# KiCad board DevTermCaseTemp.kicad_pcb (continued)
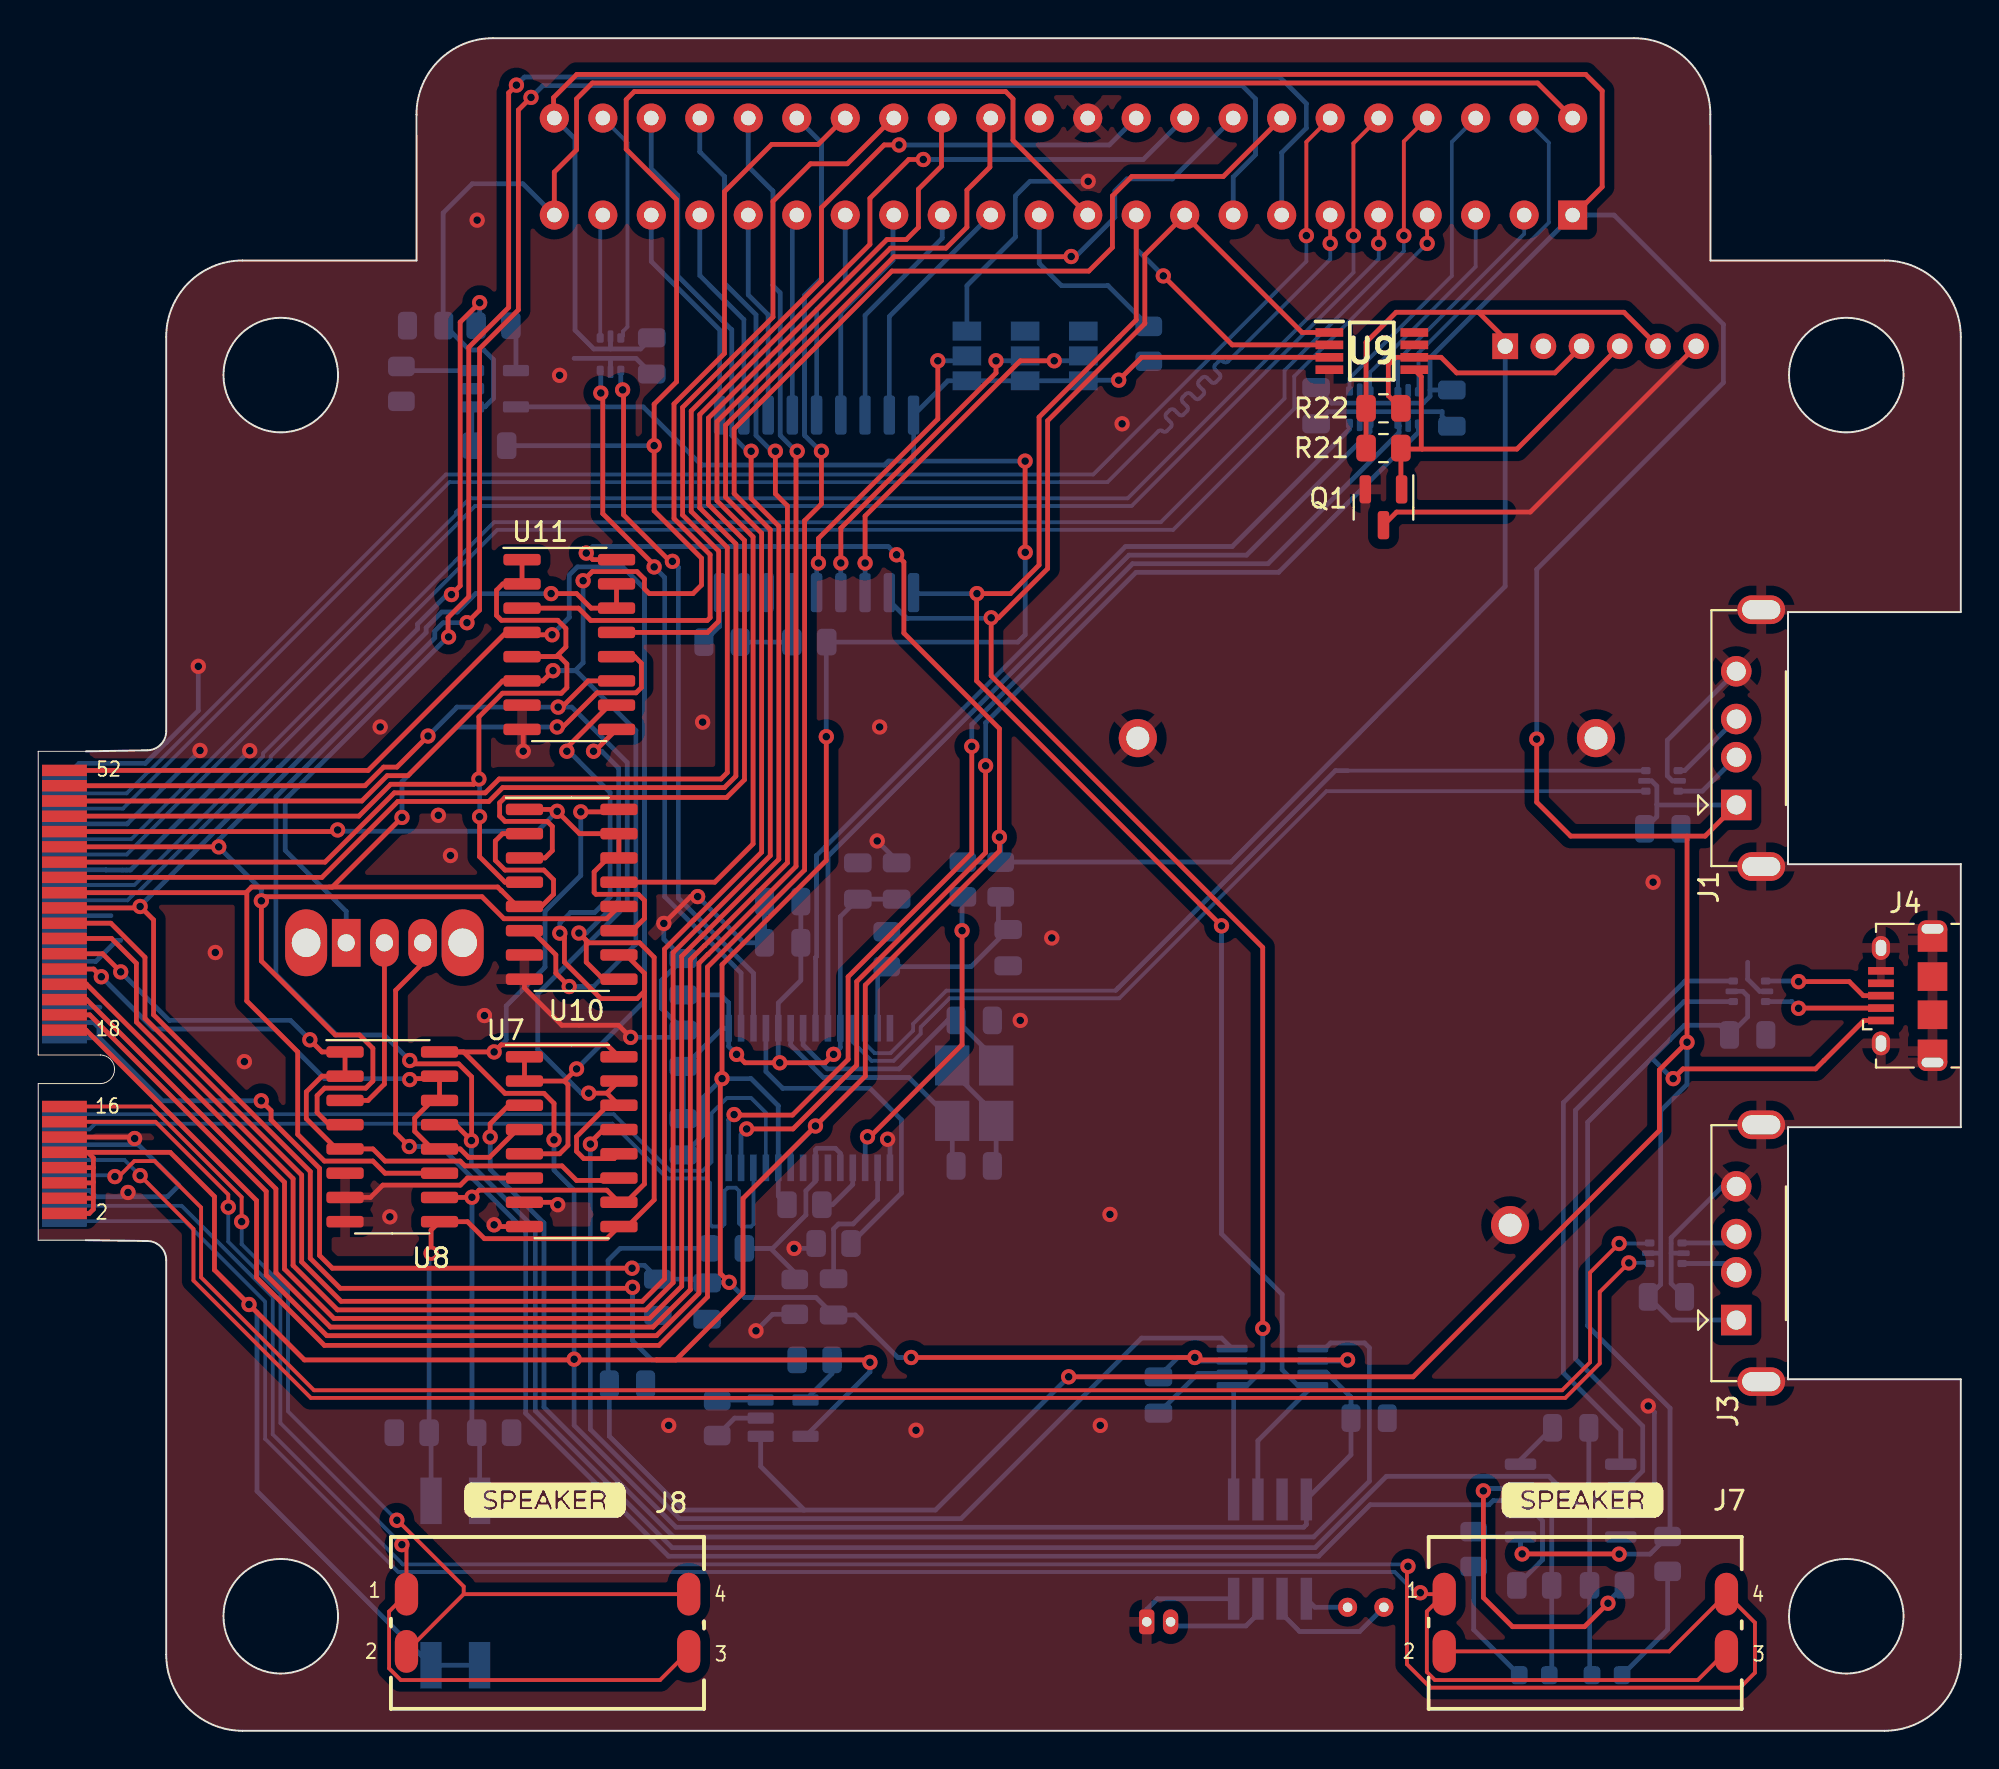
[diagram p0: board, top side]
## Nets (continued)
Net-(J11-Pin_3): J11.3 R22.1 U9.6
Net-(J11-Pin_4): J11.4 Q1.1 R21.1 U9.5
Net-(J11-Pin_6): J11.6 Q1.3
Net-(JP1-C): JP1.2 U5.5
Net-(JP2-C): JP2.2 U5.4
Net-(JP3-C): JP3.2 U5.3
Net-(R1-Pad2): R1.2 R9.1 U1.19 U1.21
Net-(R2-Pad2): R2.2 U1.4
Net-(R3-Pad1): R3.1 U1.17
Net-(R6-Pad1): R6.1 U1.18
Net-(SW2-B): SW2.2 U8.3
Net-(U2-EN): R5.2 U2.4
Net-(U2-ISET): R7.1 U2.3
Net-(U3-EN): R10.2 U3.4
Net-(U3-ISET): R11.1 U3.3
Net-(U4-X1): U4.1 Y2.1
Net-(U4-X2): U4.2 Y2.2
Net-(U5-~{RESET}): C15.2 R13.2 U5.6
Net-(U6-RXD): R18.1 U6.7
Net-(U6-TXD): R17.1 U6.6
Net-(U6-UD+): U6.1 U13.6
Net-(U6-UD-): U6.2 U13.4
Net-(U6-V3): C14.1 U6.8
Net-(U12-A1): U7.3 U12.5
Net-(U12-A2): U7.13 U12.4

Pads without a net: J9 24; U1 14 20 22; U4 7; U5 7 8; U6 4; U9 7 8

## Via types
v1: diameter 0.8, hole 0.4, Top to Bottom, 155 vias

## Routing (per net, layer and track width the routed paths; a pad name or vN(x,y) marks a point on that pad's centre or on a via; arc(x,y) is an arc through that point)
+3.3V: length 208.3
  Top w0.25: U9.3 57.8,71.93 v1(56.6,70.73) ; v1(45.73,19.55) v1(60.58,19.55) 60.71,19.42 v1(68.59,19.42) ; v1(31.11,24.23) 15.41,24.23 14.74,24.89 14.74,29.45 12.2,31.99 12.2,32.48 v1(11.68,32.99) ; v1(51.69,66.49) 51.69,61.72 v1(51.7,61.71) ; v1(41.28,52.06) 41.28,45.58 35.82,40.12 v1(35.82,34.16) 35.73,34.06 35.73,23.95 v1(36.19,23.49)
  Bottom w0.25: J2.19 2.91,37.09 3.18,36.82 3.18,36.31 ; 3.18,36.31 3.16,36.29 J2.17 ; 3.18,36.31 6.5,32.99 v1(11.68,32.99) ; FB2.1 34.84,31.21 34.84,33.17 v1(35.82,34.16) 37.34,34.16 38.77,32.73 U1.24 38.77,28.01 R6.2 ; 25.02,69.33 31.69,69.33 34.74,66.29 44.33,66.29 44.54,66.49 45.9,66.49 ; U12.3 60.77,19.37 v1(60.58,19.55) 59.7,19.55 C16.1 ; 48.39,70.7 JP2.3 JP3.3 54.77,70.73 v1(56.6,70.73) ; U12.6 68.53,19.37 v1(68.59,19.42) ; JP1.3 47.65,70.7 45.85,68.9 45.85,66.54 45.9,66.49 ; 35.47,23.49 v1(36.19,23.49) 36.99,22.69 40.74,22.69 FB1.2 42.8,21.78 45.03,19.55 v1(45.73,19.55) ; 45.9,66.49 v1(51.69,66.49) ; 32.46,23.68 31.76,24.38 31.26,24.38 v1(31.11,24.23) ; C5.1 34.84,23.65 ; v1(41.28,52.06) 41.28,56.99 ; v1(51.7,61.71) 51.7,57.41 51.31,57.02 R13.1
+3.3VP: length 81.7
  Top w0.25: J9.43 27.03,81.63 28.2,82.8 28.2,85.46 29.03,86.29 78.54,86.29 J9.2
  Bottom w0.25: 22.72,66.79 22.72,69.29 ; 22.67,69.33 23.41,69.33 23.85,69.78 23.85,71.81 23.34,72.32 22.58,72.32 21.31,73.59 ; 21.24,73.94 21.21,73.96 21.21,79.49 22.74,81.02 25.39,81.02 J9.43
+5V: length 337.9
  Top w0.25: 2.89,27.97 2.81,27.89 J2.4 ; 2.89,27.97 2.89,28.73 ; 2.89,27.97 2.89,27.31 2.67,27.09 J2.2 ; 32.39,19.42 33.41,19.42 36.92,22.93 36.92,27.88 v1(40.71,31.67) 43.32,34.28 43.32,39.05 50.35,46.08 v1(50.35,46.8) 50.35,52.48 45.34,57.49 45.34,61.21 v1(44.96,61.59) ; 32.39,19.42 28.11,19.42 v1(28.07,19.46) 28.04,19.42 13.94,19.42 v1(11.04,22.33) 9.23,24.14 9.23,27.98 6.92,30.29 J2.10 2.6,30.29 2.89,30 2.89,29.49 ; 32.39,19.42 43.44,19.42 v1(43.57,19.3) ; 2.89,28.73 2.89,29.49 ; 2.89,28.73 2.85,28.69 J2.6 ; 2.89,29.49 J2.8 ; 75.44,74.29 76.84,72.89 J11.1 ; 75.44,74.29 71.13,74.29 69.55,72.71 R22.2 R21.2 ; 75.44,74.29 83.06,74.29 J11.5 ; v1(28.42,48.13) 30.29,48.13 ; U7.16 29.8,35.92 24.25,35.92 v1(23.88,35.55) U8.16 22.28,35.55 24.45,33.38 26.49,33.38 27.02,32.86 v1(27.02,30.95) ; v1(28.71,61.68) 29.05,61.33 U11.16
  Bottom w0.25: J11.1 76.84,59.94 75.44,58.54 62.47,45.5 R4.1 ; v1(23.88,35.55) 24.52,36.19 24.52,37.97 26.55,40 26.55,42.92 28.42,44.79 v1(28.42,48.13) ; R4.1 R3.2 ; R4.1 50.42,46.74 v1(50.35,46.8) ; v1(44.96,61.59) 44.53,62.02 29.05,62.02 v1(28.71,61.68) ; U12.7 67.52,18.72 68.76,17.48 C17.1 68.76,14.45 U4.8 66.43,10.8 66.28,10.66 33.41,10.66 28.07,16 v1(28.07,19.46) 28.07,28.31 27.02,29.37 v1(27.02,30.95) ; v1(40.71,31.67) 40.71,31.65 39.42,30.36 39.42,29.48 ; U2.5 43.57,18.8 v1(43.57,19.3) ; SW1.1 SW1.2 11.46,12.55 11.46,21.91 v1(11.04,22.33)
+5VP: length 282.4
  Top w0.25: 26.99,84.35 26.99,85.53 28.21,86.74 81.06,86.74 81.92,85.88 81.92,80.86 80.33,79.27 ; 80.37,79.12 J9.1 ; v1(53.98,18.54) 72.02,18.54 84.92,31.44 84.92,34.61 v1(86.37,36.06) 86.37,46.86 ; 86.37,46.86 87.31,46.86 J1.1 ; 86.37,46.86 80.27,46.86 78.49,48.63 v1(78.49,51.94)
  Bottom w0.25: 72.9,70.22 72.91,70.22 C20.1 ; 72.9,70.22 72.9,69.89 72.55,69.53 71.51,69.53 ; 72.9,70.22 72.9,71.91 J9.1 ; U18.5 69.22,69.53 ; 69.22,69.53 67.75,69.53 C21.1 ; 69.22,69.53 71.51,69.53 ; J3.1 85.55,21.51 C18.1 84.98,23.38 84.98,25 84.97,25.01 ; 71.51,69.53 71.76,69.53 U16.5 ; 29.98,72.37 31.55,72.37 C22.1 ; 29.98,72.37 U17.5 ; 29.98,72.37 29.1,72.37 28.12,73.35 28.12,83.37 J9.44 ; U14.5 84.51,49.75 84.78,49.48 84.78,48.51 ; 84.97,25.01 84.98,25.03 84.98,32.47 86.37,33.85 v1(86.37,36.06) ; 84.97,25.01 U15.5 ; C19.1 84.78,47.87 84.78,48.51 ; J1.1 84.8,48.49 84.78,48.51 ; U2.1 37.84,13.84 40.13,11.56 33.78,11.56 29.92,15.43 C1.1 ; R1.1 30.49,25.27 29.85,24.63 29.85,18.22 ; v1(78.49,51.94) 78.49,60.83 88.27,70.6 88.27,73.65 82.54,79.38 J9.1 ; v1(53.98,18.54) 47,11.56 40.06,11.56 ; 80.12,79.38 J9.1
/AVDD: length 36.4
  Top w0.25: v1(41.66,35.43) 41.22,34.98 v1(38.84,34.98) 37.02,34.98 v1(36.58,35.43)
  Bottom w0.25: 39.94,43.43 39.94,39.3 38.77,38.12 U1.5 38.77,35.06 v1(38.84,34.98) ; U1.1 35.85,36.8 33.79,34.73 FB2.2 ; U1.1 36.17,38.13 35.75,38.54 C7.1 ; U1.1 36.17,35.84 v1(36.58,35.43) ; C10.1 C11.1 42.02,42.64 U1.10 42.02,35.78 v1(41.66,35.43)
GND: length 181.5
  Top w0.25: U10.8 25.47,38.91 27.43,36.95 30.4,36.95 v1(31.03,36.31) ; U7.6 22.48,28.95 22.11,28.58 18.05,28.58 17.4,27.93 16.07,27.93 ; v1(23.88,26.5) 23.97,26.41 U7.8 ; v1(32.77,42.28) 34.18,43.69 v1(34.54,43.69) ; v1(25.41,51.3) 25.41,52.38 ; v1(27.22,27.55) 27.09,27.68 U7.7 ; J2.12 4.98,31.09 v1(5.05,31.02)
  Bottom w0.25: 28.07,71.87 29.98,71.87 ; 29.98,71.87 U17.2 ; 29.98,71.87 31.31,71.87 C22.2 ; v1(44.49,30.98) 44.62,30.86 U1.15 ; v1(11.08,51.33) 4.83,45.08 3.56,45.08 3.55,45.09 J2.39 ; C21.2 67.57,69.08 69.22,69.08 ; 4.61,27.97 3.02,27.97 2.7,28.29 J2.5 ; 4.61,27.97 6.77,27.97 7.37,28.57 5.25,30.69 J2.11 ; 4.61,27.97 4.7,28.06 v1(4.7,28.19) ; JP1.1 48.65,75.68 51.19,78.22 51.19,80.38 51.95,81.15 v1(55,81.15) ; R7.2 36.48,16.38 U2.2 ; v1(43.95,46.6) 44.96,45.59 ; v1(37.6,20.95) 38.46,21.81 R9.2 ; J2.27 3.01,40.29 4.11,41.39 4.32,41.39 ; 35.69,59.6 35.69,57.84 C15.1 ; 85.53,25.01 85.53,25.82 88.23,28.51 J3.4 ; 85.53,25.01 U15.2 ; 85.53,25.01 85.53,23.43 C18.2 ; C9.2 C8.2 36.96,41.27 v1(34.54,43.69) ; U16.2 71.76,69.08 ; 71.76,69.08 69.22,69.08 ; 71.76,69.08 73.54,69.08 73.54,68.83 C20.2 ; v1(8.39,55.75) 8.39,53.43 6.72,51.76 6.71,51.76 5.62,50.67 2.15,50.67 J2.51 ; v1(39.6,25.26) 40.49,25.26 ; 69.22,69.08 U18.2 ; 47.88,34.54 50.18,32.24 ; J2.45 4.66,47.49 8.48,51.31 v1(8.48,51.34) ; J5.1 58.06,6.36 58.62,6.92 U4.4 ; 83.12,11.42 83.6,11.42 84.66,12.48 84.66,16.69 v1(84.33,17.01) ; v1(31.03,36.31) 33.41,36.31 C6.2 32.64,37.84 32.64,39.3 C7.2 32.77,41.46 v1(32.77,42.28) ; C16.2 60.76,18.72 U12.2 ; J2.21 3.24,37.89 ; 89.54,40.25 89.54,39.36 90.17,38.73 U13.2 ; U14.2 85.6,49.75 85.33,50.01 85.33,51.87 J1.4 ; 3.81,42.69 J2.33 ; 82.67,11.42 82.17,11.42 81.22,12.38 C14.2 ; Y1.4 50.18,29.78
  vias: v1(9.28,40.76) v1(10.8,35.04) v1(17.91,52.57) v1(18.42,26.92) v1(20.96,47.94) v1(21.6,45.84) v1(22.99,79.11) v1(23.37,37.46) v1(27.31,70.99) v1(33.03,15.99) v1(34.8,52.82) v1(44.07,52.57) v1(45.98,15.74) v1(51.44,37.2) v1(53.09,41.52) v1(55.63,15.99) v1(56.14,27.04) v1(56.77,68.45) v1(84.59,44.44)
VBUS: length 61.5
  Top w0.25: v1(85.64,34.16) 86.15,34.66 93.1,34.66 95.63,37.2 96.52,37.2 ; v1(82.81,9.25) 82.8,9.26 v1(77.73,9.26)
  Bottom w0.25: 85.48,33.99 v1(85.64,34.16) 85.6,34.16 84.52,35.23 ; v1(77.73,9.26) 77.64,9.35 77.64,10.15 75.47,10.15 ; R12.1 84.43,9.25 v1(82.81,9.25) ; 85.48,10.3 85.48,16.89 81.16,21.21 81.16,31.87 84.52,35.23 ; 84.52,35.23 85.48,36.19 85.48,36.2 86.23,36.95 88.08,36.95 C23.1 89.54,37.39 89.54,38.47 89.29,38.73 88.71,38.73
/CAM0.D+: length 84.6
  Top w0.2: v1(67.67,77.89) J9.11
  Bottom w0.2: J2.47 4.44,48.29 21.54,65.39 56.01,65.39 58.68,68.06 arc(58.79,68.11) 58.89,68.06 arc(59,68.02) 59.11,68.06 59.34,68.29 arc(59.38,68.4) 59.34,68.5 59.1,68.74 arc(59.05,68.87) 59.1,68.99 59.27,69.16 arc(59.4,69.22) 59.52,69.16 59.76,68.93 arc(59.87,68.88) 59.98,68.93 60.19,69.13 arc(60.23,69.24) 60.19,69.35 59.95,69.59 arc(59.9,69.72) 59.95,69.84 60.12,70.01 arc(60.25,70.07) 60.37,70.01 60.61,69.78 arc(60.72,69.73) 60.83,69.78 61.03,69.98 arc(61.08,70.09) 61.03,70.2 60.8,70.44 arc(60.74,70.56) 60.8,70.69 60.97,70.86 arc(61.09,70.91) 61.22,70.86 61.46,70.62 arc(61.57,70.58) 61.68,70.62 61.88,70.83 arc(61.93,70.94) 61.88,71.05 61.65,71.28 arc(61.6,71.41) 61.65,71.53 61.82,71.71 arc(61.95,71.76) 62.07,71.71 arc(62.2,71.66) 62.32,71.71 63.05,72.44 67.67,77.06 v1(67.67,77.89)
/CAM0.D-: length 84.6
  Top w0.2: J9.12 66.43,83.21 v1(66.43,78.3)
  Bottom w0.2: v1(66.43,78.3) 66.43,76.95 55.27,65.79 21.36,65.79 5.8,50.24 5.78,50.24 4.63,49.09 J2.49
/CAM1.D+: length 84.1
  Top w0.2: v1(70.21,77.89) J9.9
  Bottom w0.2: v1(70.21,77.89) 70.21,77.08 57.27,64.14 22.88,64.14 22.29,63.56 22.29,63.55 4.64,45.89 J2.41
/CAM1.D-: length 88.5
  Top w0.2: J9.10 68.89,83.13 v1(68.89,78.3)
  Bottom w0.2: v1(68.89,78.3) 68.9,78.3 68.9,76.38 57.06,64.54 22.61,64.54 21.89,63.83 21.89,63.71 4.87,46.69 J2.43
/CAM.C+: length 88.2
  Top w0.2: v1(72.75,77.89) J9.7
  Bottom w0.2: v1(72.75,77.89) 65.79,70.93 65.79,69.24 59.45,62.89 24.05,62.89 12.18,51.03 12.18,50.87 5.18,43.87 5.05,43.87 4.67,43.49 J2.35
/CAM.C-: length 92.3
  Top w0.2: J9.8 71.53,83.24 v1(71.53,78.3)
  Bottom w0.2: v1(71.53,78.3) 71.53,77.49 65.28,71.24 65.28,69.77 58.8,63.29 23.88,63.29 11.78,51.19 11.78,51.04 5.04,44.29 J2.37
/DBG_RX: length 94.6
  Top w0.25: v1(19.44,30.6) 18.72,31.31 18.72,38.78 20.13,40.19
  Bottom w0.25: v1(19.44,30.6) 21.09,30.6 25.53,26.15 25.53,16.63 33.02,9.14 67.07,9.14 69.77,11.84 76,11.84 76.21,12.06 78.51,12.06 79,11.56 79,11.55 79.28,11.27 R17.2 79.28,3.04
/DBG_TX: length 198.6
  Top w0.25: 21.86,31.74 v1(22.69,30.91) 22.7,30.92 22.7,34.25 22.02,34.93 19.64,34.93 v1(19.46,35.1) ; v1(22.46,58.03) 23.12,58.69 23.12,72.38 25.15,74.41 25.15,84.88 v1(25.81,85.54)
  Bottom w0.25: 81.26,3.04 R18.2 81.26,11.19 79.13,13.33 70.62,13.33 66.88,9.59 33.21,9.59 26.04,16.76 26.04,26.28 22.69,29.63 v1(22.69,30.91) ; J9.15 62.59,81.38 63.76,82.54 63.76,85.46 63.07,86.16 26.43,86.16 v1(25.81,85.54) ; v1(22.46,58.03) 21.22,58.03 20.77,57.59 20.77,57.23 12.45,48.91 12.45,39.62 15.63,36.44 18.12,36.44 v1(19.46,35.1)
/EXT_GPIO0: length 12
  Bottom w0.25: J9.39 32.11,76.95 35.69,73.37 35.69,68.9
/EXT_GPIO1: length 11.4
  Bottom w0.25: U5.11 36.96,73.91 34.65,76.21 J9.37
/EXT_GPIO2: length 10.9
  Bottom w0.25: 38.23,68.9 38.23,74.16 37.19,75.2 J9.35
/EXT_GPIO3: length 10.2
  Bottom w0.25: U5.13 39.5,79.15
/EXT_GPIO4: length 11.1
  Bottom w0.25: U5.14 40.77,74.42 42.27,75.92 J9.31
/EXT_GPIO5: length 11
  Bottom w0.25: U5.15 42.04,74.29 44.77,77.02 44.77,78.77
/EXT_GPIO6: length 12.1
  Bottom w0.25: J9.27 47.35,78.17 43.31,74.13 U5.16
/EXT_GPIO7: length 12.7
  Bottom w0.25: J9.25 44.58,74.07 U5.17
/EXT_USB1.D+: length 12
  Bottom w0.2: U16.4 71.22,71.78 77.83,78.39 J9.3
/EXT_USB1.D-: length 17.7
  Bottom w0.2: U16.6 72.3,72.16 79.13,78.99 79.13,83.17 J9.4
/EXT_USB2.D+: length 12.2
  Bottom w0.2: U17.6 30.64,73.06 30.64,73.29 30.87,73.53 30.87,83.17 J9.42
/EXT_USB2.D-: length 6.5
  Bottom w0.2: J9.41 29.44,79.24 U17.4
/EXT_USB3.D+: length 11.5
  Bottom w0.2: J9.5 75.29,76.68 69.76,71.14 U18.6
/EXT_USB3.D-: length 17
  Bottom w0.2: U18.4 68.68,70.83 74.05,76.19 74.05,83.21 J9.6
/EXT_USB4.D+: length 48.4
  Bottom w0.2: 68.59,50.28 U14.6 ; 56.58,38.92 56.43,38.76 47.57,38.76 45.83,37.02 45.83,36.67 44.65,35.49 43.82,35.49 43.32,35.99 43.32,36.8
  Bottom w0.25: 56.45,38.79 67.95,50.28 68.59,50.28
/EXT_USB4.D-: length 48.7
  Bottom w0.2: U14.4 67.48,49.21 56.63,38.36 47.73,38.36 46.23,36.86 46.23,36.5 44.81,35.09 43.65,35.09 42.67,36.07 U1.11
/EXT_USB_X1: length 13.1
  Bottom w0.25: 39.42,36.8 39.42,35.92 41.13,34.21 45.61,34.21 Y1.1 47.88,29.78
/EXT_USB_X2: length 13.4
  Bottom w0.25: C13.1 47.64,37.2 45.1,34.66 41.33,34.66 40.07,35.92 U1.7 ; 48.12,37.2 50.18,35.14
/GPIO_X1: length 38.4
  Top w0.25: 44.77,84.46 42.38,82.06 40.45,82.06 38.49,80.1 38.49,74.04 33.75,69.31 33.75,63.67 35.64,61.78 35.64,58.11 35.06,57.52 U11.13
/GPIO_X2: length 42.2
  Top w0.25: 42.23,84.46 40.86,83.08 38.42,83.08 35.95,80.61 35.95,72.13 33.3,69.49 33.3,63.49 35.19,61.6 35.19,58.3 35.05,58.15 28.95,58.15 28.3,58.79 U11.3
/I2C_SCL: length 98.1
  Top w0.25: v1(61.98,42.16) 49.15,54.98 49.15,59.54 v1(49.17,59.56) 50.93,59.56 52.42,61.05 52.42,68.79 56.65,73.02 ; U9.2 62.55,72.58 v1(58.93,76.19) ; J9.19 57.51,73.88 56.52,72.89
  Bottom w0.25: v1(58.93,76.19) 57.51,77.61 J9.19 ; v1(61.98,42.16) 61.98,26.03 65.16,22.85 65.16,18.91 66,18.07 U12.8 63.89,15.19 U4.6 ; v1(49.17,59.56) 45.9,59.56
/I2C_SDA: length 94.6
  Top w0.25: v1(64.14,21.07) 64.14,41.02 49.92,55.25 v1(49.92,58.29) 50.3,58.29 52.87,60.86 52.87,68.61 57.96,73.7 57.96,77.29 J9.17 66.2,73.23 67.63,73.23
  Bottom w0.25: v1(49.92,58.29) 49.89,58.25 45.51,58.25 44.58,59.18 ; v1(64.14,21.07) 64.14,18.91 63.3,18.07 U12.1 62.62,17.99 U4.5
/ID_A: length 60.9
  Top w0.25: 31.76,38.73 31.76,39.67 30.8,40.63 ; 31.76,38.73 31.76,28.64 30.8,27.68 ; 31.76,38.73 31.37,38.35 29.47,38.35 27.56,40.25 27.56,41.53 v1(27.32,41.77) ; 29.92,53.71 27.69,51.49 v1(27.69,51.3) ; U7.10 29.79,28.31 23.09,28.31 v1(22.72,27.94) 22.71,27.93 U8.10
  Bottom w0.25: v1(27.32,41.77) 27.32,42.3 27.88,42.86 29.15,42.86 29.96,43.66 29.96,49.14 27.8,51.3 v1(27.69,51.3) ; v1(22.72,27.94) 22.72,16.16 ; 23.12,12.37 23.12,15.46
/ID_B: length 59.6
  Top w0.25: v1(29.09,51.3) 29.15,51.3 U11.9 ; 29.6,39.36 28.71,40.25 28.71,41.39 v1(28.32,41.78) 28.83,41.27 31.5,41.27 32.26,40.51 32.26,27.81 30.87,26.41 ; v1(20.58,25.01) 20.58,26.22 U8.9 22.48,26.66 23.37,25.77 29.79,25.77 U7.9
  Bottom w0.25: v1(29.09,51.3) 29.52,51.3 30.41,50.41 30.41,43.47 28.71,41.78 v1(28.32,41.78) ; R16.1 20.48,24.91 v1(20.58,25.01) ; 20.58,12.37 20.58,15.51
/IO28: length 109.4
  Top w0.25: v1(41.03,67.01) 41.03,64.25 40.14,63.37 40.14,45.08 35.06,40 35.06,22.73 32.52,20.19 14.99,20.19 11.44,23.74 11.44,27.77 2.51,36.69 J2.18
  Bottom w0.25: v1(41.03,67.01) 40.97,67.01 40.14,67.84 40.14,75.18 41.03,76.07 41.03,83.17 J9.34
/IO29: length 108.5
  Top w0.25: v1(39.76,67.01) 39.69,66.95 39.69,45.27 35.09,40.66 35.08,40.66 34.61,40.19 34.61,22.91 32.39,20.69 15.12,20.69 11.94,23.87 11.94,28.25 2.7,37.49 J2.20
  Bottom w0.25: v1(39.76,67.01) 39.7,67.01 38.87,67.84 38.87,75.3 38.49,75.68 38.49,80.64 37.19,81.93 J9.36
/IO30: length 108.7
  Top w0.25: J2.22 2.54,38.29 12.45,28.38 12.45,24 15.31,21.14 32.2,21.14 34.16,23.1 34.16,40.38 34.89,41.11 34.9,41.11 39.24,45.46 39.24,64.15 38.61,64.78 v1(38.61,67.01)
  Bottom w0.25: J9.38 34.65,82.69 35.95,81.4 35.95,75.81 37.6,74.16 37.6,67.84 38.43,67.01 v1(38.61,67.01)
/IO31: length 109.3
  Top w0.25: 2.42,39.2 12.9,28.73 12.9,24.18 15.49,21.59 32.02,21.59 33.71,23.28 33.71,40.57 34.71,41.56 34.72,41.56 38.79,45.64 38.79,63.09 37.34,64.54 v1(37.34,67.01) ; 2.54,39.09 J2.24
  Bottom w0.25: J9.40 32.11,81.8 33.5,80.42 33.5,76.2 36.33,73.37 36.33,67.84 37.16,67.01 v1(37.34,67.01)
/IO32: length 31.4
  Top w0.25: v1(19.46,34.1) 19.51,34.16 20.9,34.16 ; 25.09,31.49 23.64,30.03 22.54,30.03 22.1,30.47 U8.12 ; 20.65,30.47 19.72,31.4 19.72,32.09 20.65,33.01 ; J2.26 2.9,39.89 v1(3.31,39.49) ; U8.15 U8.14
  Bottom w0.25: v1(19.46,34.1) 19.41,34.16 14.99,34.16 12.39,36.75 6.04,36.75 v1(3.31,39.49)
/IO33: length 38.4
  Top w0.25: 29.6,28.95 29.47,28.82 28.2,28.82 27.44,29.58 22.36,29.58 22.1,29.84 18.17,29.84 17.53,30.47 16.07,30.47 ; J2.28 3.37,40.69 v1(4.32,39.74) ; v1(14.23,36.19) 14.86,35.55 16.07,35.55 16.07,34.28 14.86,34.28 14.04,33.46 14.04,32.05 15.63,30.47
  Bottom w0.25: v1(14.23,36.19) 13.21,37.2 6.86,37.2 v1(4.32,39.74)
/IO34: length 129.6
  Top w0.25: J2.30 3.84,41.49 5.14,40.19 5.14,37.12 13.35,28.91 13.35,24.37 15.68,22.04 31.83,22.04 33.26,23.47 33.26,40.75 34.52,42.01 34.53,42.01 38.34,45.83 38.34,62.9 36.45,64.79 36.45,68.19 44.71,76.45 55.03,76.45 56.27,77.68 56.27,80.38 57.28,81.4 62.08,81.4 J9.14
/IO35: length 126.3
  Top w0.25: v1(54.11,77.21) 54.1,77.2 44.83,77.2 36,68.37 36,64.6 37.89,62.71 37.89,46.02 34.34,42.46 34.33,42.46 32.81,40.94 32.81,23.66 31.64,22.49 15.87,22.49 13.8,24.56 13.8,29.1 5.59,37.31 5.59,40.51 3.81,42.29 J2.32
  Bottom w0.25: v1(54.11,77.21) 54.34,77.21 56.39,79.26 56.39,80.64 57.03,81.27 59.41,81.27 J9.16
/IO36: length 95.7
  Top w0.25: v1(21.65,59.5) 22.1,59.96 22.1,73.77 v1(23.12,74.79) ; v1(31.13,23.22) 31.13,23.2 31.11,23.17 15.82,23.17 14.25,24.74 14.25,29.29 6.04,37.5 6.04,42.47 v1(5.34,43.17) 5.26,43.09 J2.34
  Bottom w0.25: v1(31.13,23.22) 31.13,20.43 32.14,19.42 R5.1 ; v1(5.34,43.17) 5.34,43.2 12.6,50.46 12.63,50.46 19.87,57.71 19.87,57.96 21.42,59.5 v1(21.65,59.5) ; v1(23.12,74.79) 23.12,73.77
/IO37: length 79.2
  Top w0.25: 15.25,44.19 24.07,44.19 24.27,43.99 24.27,43.99 25.18,43.08 ; v1(19.06,47.83) 15.41,44.19 11.18,44.19 10.89,43.89 J2.36 ; 30.67,56.25 31.25,56.25 31.59,55.91 31.59,54.64 31.32,54.36 29.27,54.36 27.48,52.57 v1(27.18,52.57) ; U10.5 26.36,43.17 26.99,43.81 26.99,44.57 26.49,45.08 24.45,45.08 23.95,45.59 23.95,46.6 24.33,46.98 U10.2 ; 10.93,43.89 10.93,38.22 13.59,35.55 13.59,31.23 14.99,29.84 17.53,29.84 18.17,29.2 U8.11
  Bottom w0.25: v1(19.06,47.83) 19.06,49.71 21.92,52.57 v1(27.18,52.57)
/IO38: length 90.3
  Top w0.25: v1(46.36,82.29) 45.6,82.29 43.57,80.26 43.57,77.84 34.65,68.93 34.65,64.04 36.54,62.15 36.54,49.99 35.95,49.4 24.33,49.4 23.6,48.67 18.84,48.67 14.86,44.69 J2.38
  Bottom w0.25: v1(46.36,82.29) 57.88,82.29 J9.18
/IO39: length 88.3
  Top w0.25: v1(45.09,83.05) 44.31,83.05 41.03,79.77 41.03,75.94 34.2,69.12 34.2,63.86 36.09,61.97 36.09,50.18 35.76,49.85 24.14,49.85 23.42,49.12 18.65,49.12 15.03,45.49 J2.40
  Bottom w0.25: v1(45.09,83.05) 56.11,83.05 J9.20
/IO40: length 77.3
  Top w0.25: 15.25,31.74 14.61,32.38 14.61,33.27 15,33.66 17.16,33.66 17.53,34.03 17.53,35.74 16.83,36.44 15.56,36.44 11.69,40.31 v1(11.69,43.46) 11.91,43.68 23.25,43.68 24.4,42.53 29.78,42.53 U10.12 ; v1(9.46,46.29) 9.46,46.29 J2.42 ; U11.15 U11.14 28.96,58.79 28.2,59.56 v1(26.87,59.56)
  Bottom w0.25: v1(26.87,59.56) 22.92,59.56 21.95,58.59 21.14,58.59 20.32,57.77 20.32,57.52 9.46,46.66 v1(9.46,46.29) 11.69,44.06 v1(11.69,43.46)
/IO41: length 39.8
  Top w0.25: J2.44 15.6,47.09 v1(15.69,47.18) ; 29.85,45.71 29.12,44.98 29.12,43.9 29.22,43.81 31.43,43.81 31.76,43.48 31.76,42.54 31.12,41.9 ; U10.14 U10.15 28.35,46.98 v1(27.18,48.15) 27.08,48.25 25.47,48.25
  Bottom w0.25: v1(15.69,47.18) 15.75,47.11 26.14,47.11 v1(27.18,48.15)
/IO42: length 52.2
  Top w0.25: U11.2 U11.1 ; 27.35,54.34 27.4,54.34 27.69,54.63 27.69,55.87 27.31,56.25 U11.5 ; U10.4 24.45,44.44 23.12,45.77 v1(23.12,47.87) ; 1.38,47.9 16.8,47.9 18.46,49.57 22.81,49.57 v1(23.09,49.84) 23.09,53.1 24.32,54.34 27.34,54.34 ; 25.91,56.25 27.13,56.25 27.64,56.76 27.64,57.73 27.21,58.16 24.26,58.16 24.01,58.41 24.01,59.73 24.34,60.06 24.9,60.06
  Bottom w0.25: v1(23.09,49.84) 23.12,49.81 v1(23.12,47.87)
/IO43: length 130.8
  Top w0.25: v1(26.97,55.52) 26.43,54.98 U11.6 24.33,54.98 19.37,50.02 18.28,50.02 16.95,48.69 J2.48 ; v1(28.54,60.23) 29.02,60.71 31.36,60.71 31.76,60.32 31.76,59.81 32.01,59.56 34.3,59.56 34.74,60 34.74,61.41 32.26,63.89 v1(32.26,67.3) 32.26,69.48 33.44,70.65 33.44,80.19 30.8,82.83 30.8,85.42 31.22,85.84 50.68,85.84 51.06,85.46 51.06,83.29 J9.21 ; v1(27.81,38.98) 27.11,39.68 27.11,40.63 25.85,41.9
  Bottom w0.25: v1(27.81,38.98) 29.08,38.98 31.31,41.2 31.31,52.39 28.17,55.52 v1(26.97,55.52) 28.13,55.52 28.54,55.94 v1(28.54,60.23) ; v1(32.26,67.3) R19.2
/IO44: length 64.9
  Top w0.25: U11.11 28.81,54.98 27.44,53.61 v1(27.23,53.61) ; v1(28.84,33.39) 29.79,33.39 ; 29.79,33.39 U7.14 ; 29.79,33.39 U7.15 ; v1(20.42,52.1) 18.79,50.47 18.09,50.47 17.12,49.49 J2.50 ; 29.84,32.76 28.2,31.12 28.2,30.35 28.58,29.96 30.17,29.96 30.42,30.22
  Bottom w0.25: v1(28.83,33.39) 28.44,33.39 26.17,35.67 26.17,38.6 30.86,43.29 30.86,50.7 27.95,53.61 v1(27.23,53.61) 21.93,53.61 v1(20.42,52.1)
/IO45: length 72.5
  Top w0.25: 24.51,57.52 17.28,50.29 J2.52 ; U7.1 U7.2 27.56,34.03 ; 25.47,30.22 27.31,30.22 27.75,30.66 27.75,33.84 27.56,34.03 ; v1(26.92,57.4) 25.47,57.4 ; 27.56,34.03 v1(28.2,34.66)
  Bottom w0.25: v1(28.2,34.66) 31.76,38.22 31.76,59.81 30.61,60.95 28.24,60.95 27.82,60.53 27.82,58.31 27.03,57.52 27.03,57.51 v1(26.92,57.4)
/SPI_CS: length 54.3
  Top w0.25: U10.13 35.44,44.44 37.44,46.45 37.44,62.53 35.55,64.42 35.55,68.56 44.64,77.65 47.55,77.65 48.65,78.74 48.65,80.69 49.85,81.89 49.85,84.45
/SPI_MISO: length 61
  Top w0.25: 47.31,84.46 47.31,81.94 46.11,80.73 46.11,78.73 45.47,78.1 44.46,78.1 35.1,68.75 35.1,64.23 36.99,62.34 36.99,49.81 36.06,48.88 24.45,48.88 24.17,48.6 24.17,47.91 24.45,47.63 26.67,47.63 26.93,47.36 26.93,46.09 26.55,45.71 U10.3
/SPK_LN: length 127.4
  Top w0.2: J7.2 85.43,4.16 J7.4 89.92,5.66 89.92,3.04 89.14,2.26 72.92,2.26 71.7,3.49 71.7,8.56 v1(71.75,8.61)
  Bottom w0.2: J2.3 7.51,27.49 12.29,22.72 12.29,15.52 19.09,8.72 71.64,8.72 v1(71.75,8.61)
/SPK_LP: length 105.5
  Top w0.2: v1(72.4,7.23) 72.47,7.16 J7.1 72.74,6.25 72.74,3.08 73.16,2.66 86.93,2.66 J7.3
  Bottom w0.2: J2.1 7.66,26.69 11.89,22.47 11.89,15.29 18.86,8.32 71.06,8.32 72.14,7.23 v1(72.4,7.23)
/SPK_RN: length 52.9
  Top w0.2: J8.4 22.29,7.16 ; 22.29,7.16 22.29,7.56 18.81,11.03 v1(18.79,11.03) ; 22.29,7.16 J8.2 ; v1(10.66,26.66) 10.66,27.95 5.91,32.69 J2.16
  Bottom w0.2: v1(18.79,11.03) 13.09,16.73 13.09,23.05 10.66,25.48 v1(10.66,26.66)
/SPK_RP: length 55.8
  Top w0.2: v1(19.05,9.75) 19.08,9.75 19.29,9.54 J8.1 18.38,6.25 18.38,3.27 18.99,2.66 32.57,2.66 J8.3 ; v1(9.96,27.42) 9.96,28.08 6.15,31.89 J2.14
  Bottom w0.2: v1(9.96,27.42) 9.96,25.62 12.69,22.89 12.69,16.11 v1(19.05,9.75)
/U1.D1+: length 59.5
  Top w0.25: v1(36.45,32.27) 36.78,32.27 36.81,32.24 39.51,32.24 42.42,35.16 42.42,39.49 48.9,45.97 v1(48.9,51.55)
  Bottom w0.25: U1.28 36.17,31.99 v1(36.45,32.27) ; U16.3 71.29,68.36 71.29,67.99 64.41,61.12 57.32,61.12 48.9,52.7 v1(48.9,51.55)
/U1.D1-: length 59.4
  Top w0.25: v1(37.11,31.52) 39.53,31.52 42.87,34.86 42.87,39.24 49.63,45.99 v1(49.63,50.54)
  Bottom w0.25: 36.82,29.48 36.82,31.23 v1(37.11,31.52) ; U16.1 72.3,68 64.97,60.67 57.51,60.67 49.63,52.79 v1(49.63,50.54)
/U2.D+: length 37.4
  Top w0.25: v1(33.22,61.24) 33.1,61.24 30.66,63.68 30.66,70.17 v1(30.61,70.22)
  Bottom w0.25: v1(33.22,61.24) 33.53,60.93 33.53,43.6 37.47,39.67 U1.3 ; v1(30.61,70.22) 30.52,70.32 U17.1
/U2.D-: length 37.5
  Top w0.25: v1(29.47,70.06) 29.57,69.95 29.57,63.74 32.26,61.05 v1(32.26,60.95)
  Bottom w0.25: 36.82,36.8 36.82,39.69 32.82,43.69 32.82,60.4 v1(32.26,60.95) ; v1(29.47,70.06) 29.47,71.21 U17.3
/U3.D+: length 47
  Bottom w0.25: U18.1 69.76,68.03 63.3,61.57 57.13,61.57 41.37,45.8 U1.9
/U3.D-: length 46.5
  Bottom w0.25: U1.8 40.72,40.5 40.77,40.55 40.77,45.84 56.95,62.02 62.54,62.02 68.68,68.16 U18.3
/UART_RX: length 99.8
  Top w0.25: v1(25.05,86.18) 24.64,85.78 24.64,74.54 22.55,72.45 22.55,59.39 21.47,58.3 21.47,57.31 v1(21.5,57.29)
  Bottom w0.25: SW2.1 16.13,42.92 12.94,46.11 12.94,48.77 21.46,57.29 v1(21.5,57.29) ; v1(25.05,86.18) 25.47,86.61 65.03,86.61 66.43,85.21 66.43,83.94 65.13,82.65 J9.13
/USB3.D+: length 96.5
  Top w0.2: v1(82.81,25.52) 82.84,25.55 81.29,24 81.29,19.3 79.82,17.83 14.45,17.83 8.53,23.75 8.53,27.41 6.1,29.84 5.04,29.84 4.22,29.02 v1(4.02,29.02)
  Bottom w0.2: v1(82.81,25.52) 84.38,25.52 U15.6 ; v1(4.02,29.02) 3.95,29.09 J2.7
/USB3.D-: length 94.9
  Top w0.2: v1(5.34,29.08) 8.13,26.28 8.13,23.58 14.28,17.43 79.99,17.43 81.79,19.24 81.79,22.98 v1(83.32,24.5)
  Bottom w0.2: U15.4 84.38,24.5 v1(83.32,24.5) ; v1(5.34,29.08) 4.52,29.89 J2.9
/USB4.D+: length 46.4
  Bottom w0.2: U1.26 37.47,26.53 37.34,26.41 36.88,26.41 36.71,26.58 36.71,28.27 36.54,28.44 36.11,28.44 35.95,28.27 35.95,26.54 35.82,26.41 35.31,26.41 35.18,26.54 35.18,28.69 34.95,28.93 32.95,28.93 30.08,31.79 2.98,31.79 2.68,31.49 J2.13
/USB4.D-: length 44.2
  Bottom w0.2: J2.15 30.15,32.29 33.11,29.33 34.8,29.33 35.26,29.79 35.26,32.33 36.07,33.14 37.34,33.14 38.12,32.37 U1.25
Net-(C2-Pad1): length 12.5
  Bottom w0.25: 50.3,41.78 50.3,43.66 ; C2.1 48.86,40.02 R8.1 43.97,39.54 U1.13
Net-(D7-A): length 6.4
  Bottom w0.25: R12.2 85.35,5.3 D7.2
Net-(D8-A): length 6.7
  Bottom w0.25: D8.2 75.19,5.3 R14.2
Net-(FB1-Pad1): length 7.2
  Bottom w0.25: U1.16 43.97,27.82 42.69,26.54 41.92,26.54 41.66,26.28 FB1.1
Net-(J1-D+): length 4.2
  Bottom w0.25: U14.1 86.24,50.28 J1.3
Net-(J1-D-): length 3.8
  Bottom w0.25: J1.2 87.17,49.21 U14.3
Net-(J3-D+): length 3.7
  Top w0.25: 88.48,25.55 J3.3
  Bottom w0.25: U15.1 88.48,25.55 J3.3
Net-(J3-D-): length 3.7
  Top w0.25: 88.48,24.47 J3.2
  Bottom w0.25: U15.3 88.48,24.47 J3.2
Net-(J4-D+): length 6.4
  Top w0.25: 96.52,38.5 95.6,38.5 94.86,39.24 v1(92.21,39.24)
  Bottom w0.25: U13.1 92.18,39.26 v1(92.21,39.24)
Net-(J4-D-): length 6.2
  Top w0.25: 96.52,37.85 92.22,37.85 v1(92.21,37.84)
  Bottom w0.25: U13.3 91.86,38.19 v1(92.21,37.84)
Net-(J5-Pin_2): length 5.7
  Bottom w0.25: U4.3 63.89,6.12 63.26,5.49 59.53,5.49 J5.2
Net-(J9-Pin_23): length 9.6
  Bottom w0.25: R20.2 56.04,75.68 53.6,75.68 52.43,76.85 J9.23
Net-(J11-Pin_3): length 13.8
  Top w0.25: R22.1 71.03,69.61 71.03,69.61 70.72,69.92 70.72,71.54 71.11,71.93 U9.6 73.48,71.93 74.3,71.11 79.44,71.11 J11.3
Net-(J11-Pin_4): length 20.2
  Top w0.25: 72.5,67.12 72.45,67.18 72.45,70.91 U9.5 ; 72.5,67.12 71.43,67.12 R21.1 71.38,67.17 71.38,65.05 Q1.1 ; 72.5,67.12 77.46,67.12 J11.4
Net-(J11-Pin_6): length 20.3
  Top w0.25: Q1.3 71.15,63.82 78.16,63.82 J11.6
Net-(JP1-C): length 16.3
  Top w0.25: v1(47.12,71.75) 47.12,68.7 40.87,62.45 v1(40.87,61.16)
  Bottom w0.25: v1(47.12,71.75) 48.65,71.75 ; v1(40.87,61.16) 40.77,61.06 U5.5
Net-(JP2-C): length 17.3
  Top w0.25: v1(50.17,71.75) 50.17,71.11 42.04,62.98 v1(42.04,61.16)
  Bottom w0.25: v1(42.04,61.16) U5.4 ; v1(50.17,71.75) 51.95,71.75
Net-(JP3-C): length 19.1
  Top w0.25: v1(43.31,61.16) 43.31,63.62 51.44,71.75 v1(53.22,71.75)
  Bottom w0.25: v1(53.22,71.75) 55,71.75 ; v1(43.31,61.16) U5.3
Net-(R1-Pad2): length 12.9
  Bottom w0.25: U1.19 42.02,30.24 41.75,30.51 40.79,30.51 40.72,30.43 U1.21 40.72,28.78 40.21,28.28 40.21,27.01 38.46,25.27 R1.2 38.36,25.27 39.63,24
Net-(R2-Pad2): length 18
  Bottom w0.25: R2.2 45.22,28.16 45.22,32 43.57,33.65 38.99,33.65 38.12,34.53 U1.4
Net-(R3-Pad1): length 16.3
  Top w0.25: v1(43.44,31.11) 43.57,31.11 48.39,35.93 v1(48.39,41.9)
  Bottom w0.25: v1(43.44,31.11) 43.32,30.98 43.32,29.48 ; v1(48.39,41.9) 48.39,43.63
Net-(R6-Pad1): length 2.9
  Bottom w0.25: R6.1 41.61,27.55 42.67,28.61 U1.18
Net-(SW2-B): length 9.8
  Top w0.25: SW2.2 18.13,33.87 17.28,33.01 16.07,33.01
Net-(U2-EN): length 2.7
  Bottom w0.25: R5.2 41.58,18.71 U2.4
Net-(U2-ISET): length 2.2
  Bottom w0.25: U2.3 35.6,17.33
Net-(U3-EN): length 2.1
  Bottom w0.25: U3.4 25.02,73.32
Net-(U3-ISET): length 3.4
  Bottom w0.25: U3.3 19.24,71.23
Net-(U4-X1): length 2.3
  Bottom w0.25: Y2.1 66.87,6.47 U4.1
Net-(U4-X2): length 6.2
  Bottom w0.25: Y2.2 69.22,5.2 66.07,5.2 65.16,6.12
Net-(U5-~{RESET}): length 5.3
  Bottom w0.25: C15.2 R13.2 39.48,59.58
Net-(U6-RXD): length 16.2
  Top w0.25: v1(82.22,6.68) 81,5.45 77.22,5.45 75.7,6.98 v1(75.7,12.57)
  Bottom w0.25: v1(82.22,6.68) 82.22,6.75 82.81,7.33 ; v1(75.7,12.57) 75.82,12.69 77.64,12.69
Net-(U6-TXD): length 5.3
  Bottom w0.25: R17.1 78.79,8.95 78.79,10.99 78.36,11.42 U6.6
Net-(U6-UD+): length 31.7
  Bottom w0.25: U13.6 86.26,39.26 79.89,32.89 79.89,18.74 82.89,15.74 U6.1
Net-(U6-UD-): length 32.3
  Bottom w0.25: U13.4 86.21,38.19 80.52,32.5 80.52,19.48 84.04,15.95 84.04,13.61 83.13,12.69 83.12,12.69
Net-(U6-V3): length 2.6
  Bottom w0.25: U6.8 77.64,14.19 C14.1
Net-(U12-A1): length 74.2
  Top w0.25: 24.64,32.76 23.68,31.79 v1(23.68,31.09)
  Bottom w0.25: v1(23.68,31.09) 23.68,29.41 26.49,26.59 26.49,16.94 33.28,10.15 66.81,10.15 69.73,13.07 69.73,20.06 69.47,20.31 67.7,20.31 67.4,20.02
Net-(U12-A2): length 55.7
  Top w0.25: v1(28.92,30.73) 28.92,30.82 29.6,31.49
  Bottom w0.25: U12.4 61.99,20.57 57.79,20.57 48.33,11.11 33.6,11.11 28.92,15.78 v1(28.92,30.73)

## Copper pours and planes (outline as drawn; the poured copper is in the pictures)
GND on Top, Bottom: 121.67,66.92 128.78,-10.55 19.56,-13.09 -4.57,-6.48 -8.88,74.29 -3.3,80.13 1.66,101.85 112.15,102.74

## Text on the board
B.Silkscreen: 5v | 3.3v | USB2- | USB2+ | IO31 | XIO0 | IO30 | XIO1 | IO29 | XIO2 | IO28 | XIO3 | YIO1 | XIO4 | YIO0 | XIO5 | S.MISO | XIO6 | S.CS | XIO7 | x | REN | GND | IO43 | S.SCL | I.SCL | S.MOSI | I.SDA | IO35 | U.TX | IO34 | U.RX | CD0- | CD0+ | CD1- | CD1+ | CC- | CC+ | USB3- | USB3+ | USB1- | USB1+ | L R / 0 0 / 0 1 / 1 0 / 1 1 | CORE / A06 / CM3 / CM4 / R01 | DBG<->UART RX | 5V+ | TACH | PWM | +5V | FAN- | -+ / BATT. | DevTerm EXT Cart flip/v1.1 | Serial / Number | EXTC-2-       .
F.Silkscreen: 16 | 2 | 18 | 52
